# Altium PCB PA_8CH_CTRL.PcbDoc (part 8 of 10)
Units mm, origin at the board's own origin, x right, y up, seen from the top; angles counter-clockwise.
Board outline 390 x 110 mm, 4 copper layers (Component Side, Signal Layer 1, Power Plane, Solder Side), stack 1.604 mm thick; 833 components, 525 nets, 2536 pads, 1881 vias.
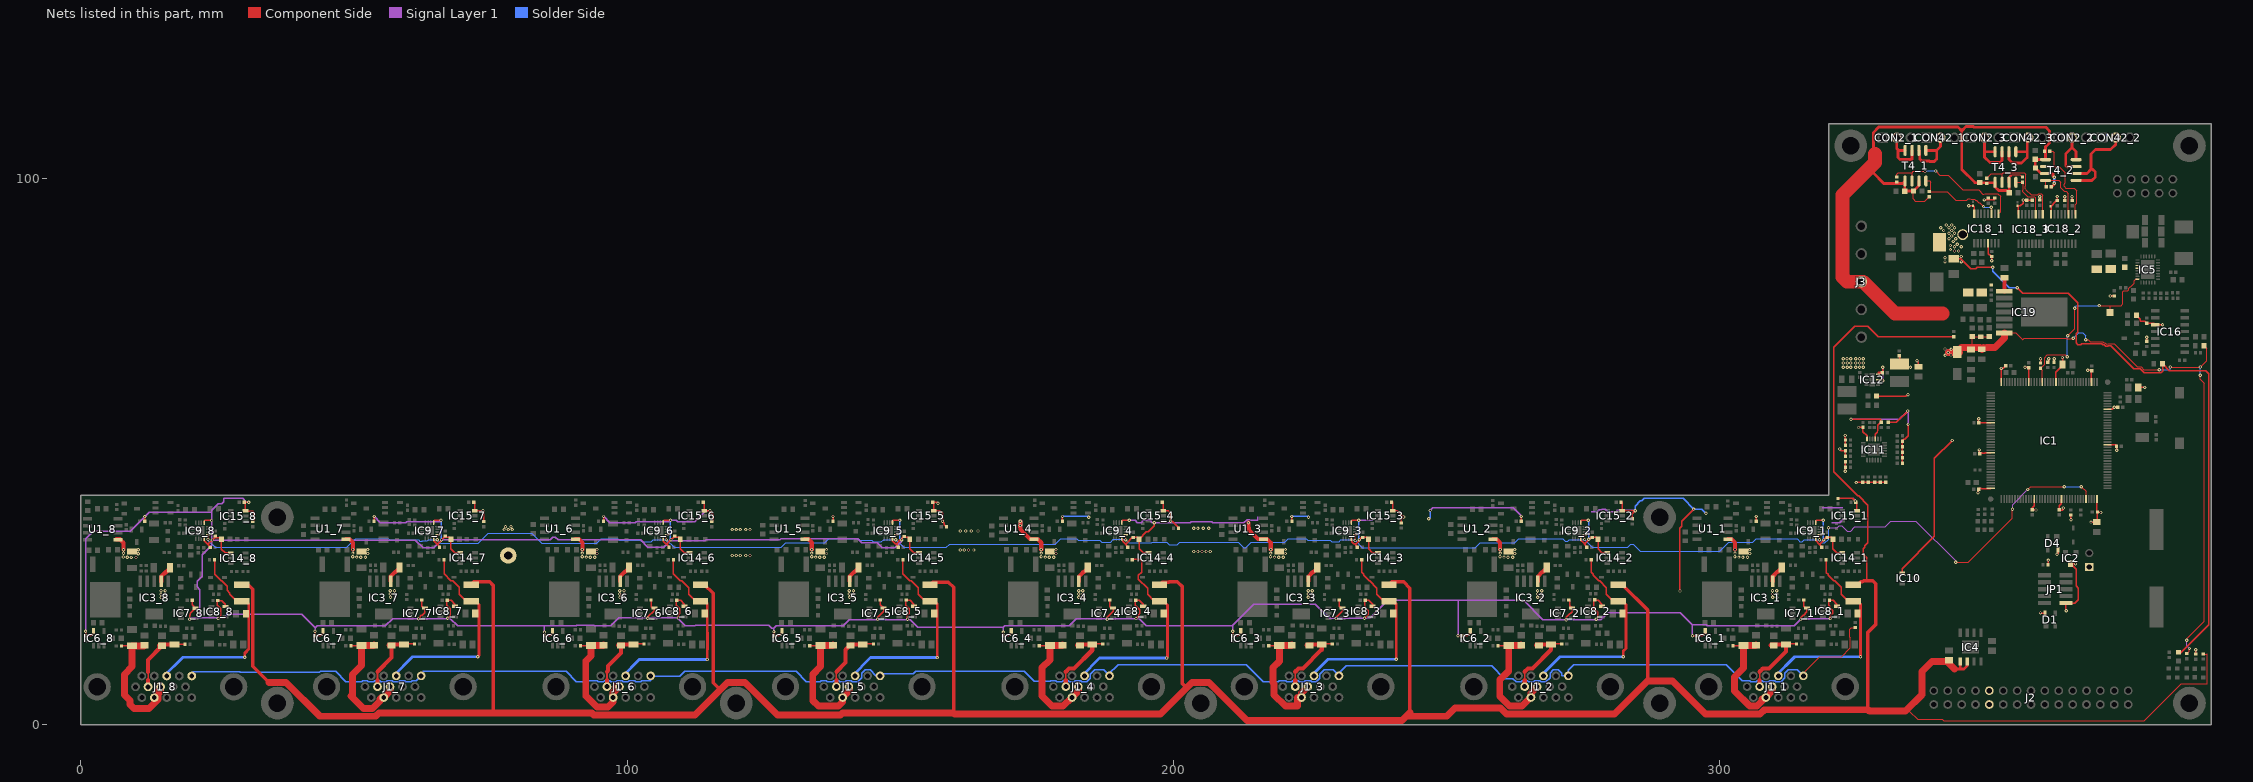
[diagram p10: the nets of this part, all layers, seen from the top]

## Via types
v1: diameter 0.6, hole 0.3, Component Side to Solder Side, tented both sides, 1530 vias
v2: diameter 0.6, hole 0.3, Component Side to Solder Side, 351 vias

## Nets (pads, with @x,y where several pads share a name; then routed paths per layer and width w, separated by ;. In a path a pad name is that pad's centre, name@x,y a point inside that pad or via, vN(x,y) a via of type N, cw(c..) or ccw(c..) an arc to the next point about the centre after c; other vN are vias at no path point) (continued)
P3V3: C5.1 C6.1 C7.1 C8.1 C9.1 C10.1 C11.1 C12.1 C13.1 C14.1 C15.1 C16.1 C43_1.2 C43_2.2 C43_3.2 C43_4.2 C43_5.2 C43_6.2 C43_7.2 C43_8.2 C45_1.2 C45_2.2 C45_3.2 C45_4.2 C45_5.2 C45_6.2 C45_7.2 C45_8.2 C47_1.2 C47_2.2 C47_3.2 C47_4.2 C47_5.2 C47_6.2 C47_7.2 C47_8.2 C50_1.1 C50_2.1 C50_3.1 C50_4.1 C50_5.1 C50_6.1 C50_7.1 C50_8.1 C53.1 C55.2 C56.2 C60_1.2 C60_2.2 C60_3.2 C60_4.2 C60_5.2 C60_6.2 C60_7.2 C60_8.2 C65.1 C113_1.2 C113_2.2 C113_3.2 D1.4 D4.4 FB1.2 IC1.17 IC1.30 IC1.39 IC1.52 IC1.62 IC1.72 IC1.84 IC1.95 IC1.108 IC1.121 IC1.131 IC1.144 IC2.3 IC6_1.5 IC6_2.5 IC6_3.5 IC6_4.5 IC6_5.5 IC6_6.5 IC6_7.5 IC6_8.5 IC7_1.5 IC7_2.5 IC7_3.5 IC7_4.5 IC7_5.5 IC7_6.5 IC7_7.5 IC7_8.5 IC8_1.5 IC8_2.5 IC8_3.5 IC8_4.5 IC8_5.5 IC8_6.5 IC8_7.5 IC8_8.5 IC9_1.5 IC9_1.16 IC9_2.5 IC9_2.16 IC9_3.5 IC9_3.16 IC9_4.5 IC9_4.16 IC9_5.5 IC9_5.16 IC9_6.5 IC9_6.16 IC9_7.5 IC9_7.16 IC9_8.5 IC9_8.16 IC10.1 IC11.21 IC11.24 IC12.8 IC12.10 IC14_1.1 IC14_2.1 IC14_3.1 IC14_4.1 IC14_5.1 IC14_6.1 IC14_7.1 IC14_8.1 IC15_1.3 IC15_2.3 IC15_3.3 IC15_4.3 IC15_5.3 IC15_6.3 IC15_7.3 IC15_8.3 IC16.3 IC18_1.8 IC18_1.13 IC18_2.8 IC18_3.8 J2.21 J2.22 JP1.1 JP2.1 L2.2 R1.1 R5.1 R6.1 R14.2 R22.1 R23.1 R24.1 R25.1 R40_1.2 R40_2.2 R40_3.2 R40_4.2 R40_5.2 R40_6.2 R40_7.2 R40_8.2 R57_1.2 R57_2.2 R57_3.2 R57_4.2 R57_5.2 R57_6.2 R57_7.2 R57_8.2 R60.1 R61.2 R62.1 R63.2 R64.2 R65.2 R68.2 R70.2 R71.2 R72.2 R73.2 R74.2 R75.2 R76.2 R77.2 R78.2 R79.2 R80.2 R81.2 R89_1.2 R89_2.2 R89_3.2 R89_4.2 R89_5.2 R89_6.2 R89_7.2 R89_8.2 R92.1 R94.1 R100.2 R107_1.2 R107_2.2 R107_3.2 R107_4.2 R107_5.2 R107_6.2 R107_7.2 R107_8.2 R111.2 R112.2 R113.2 R147_1.2 R147_2.2 R147_3.2 R148_1.2 R148_2.2 R148_3.2 | length 1110.5
  Component Side w0.254: v1(0.889,17.145) C43_8.2@0.889,16.296 1.818,16.296 IC6_8.5@2.362,16.84 ; R40_8.2@11.705,37.252 v1(11.705,38.13) ; v1(19.964,19.355) 19.964,20.052 20.09,20.178 20.09,20.473 IC7_8.5@20.985,21.368 20.389,21.964 C47_8.2@20.389,22.831 ; IC9_8.16@22.594,34.056 22.594,33.75 23.19,33.154 23.19,33.122 ; IC9_8.5@22.594,37.006 22.594,37.275 22.733,37.414 v1(23.952,37.414) ; C45_8.2@23.604,32.461 23.604,32.708 23.19,33.122 ; v1(25.171,19.482) 25.629,19.939 25.629,20.364 25.675,20.41 25.675,21.214 24.998,21.891 24.998,22.758 25.806,22.758 26.471,22.093 IC8_8.5@26.471,21.651 ; IC14_8.1@27.454,31.481 26.457,31.481 25.748,32.189 R107_8.2@25.748,33.98 25.429,34.299 24.511,34.299 v1(24.045,33.833) 23.334,33.122 23.19,33.122 ; C60_8.2@30.148,40.82 IC15_8.3@30.148,39.18 30.258,39.07 31.522,39.07 31.674,38.918 31.674,38.519 31.705,38.488 31.705,37.425 R89_8.2@31.5,37.22 ; C60_8.2@30.218,40.75 v1(30.75,40.75) ; v1(42.889,17.157) C43_7.2@42.889,16.325 43.818,16.325 IC6_7.5@44.362,16.869 ; R40_7.2@53.705,37.281 v1(53.705,38.159) ; v1(61.849,19.406) 62.156,19.712 62.156,19.913 62.319,20.076 62.52,20.076 62.985,20.542 IC7_7.5@62.985,21.397 62.728,21.397 62.389,21.736 C47_7.2@62.389,22.86 ; IC9_7.16@64.594,34.085 64.594,33.748 65.19,33.152 65.19,33.151 ; IC9_7.5@64.594,37.035 64.594,37.304 64.733,37.443 v1(65.952,37.443) ; C45_7.2@65.604,32.49 65.604,32.737 65.19,33.151 ; v1(67.158,19.507) 67.667,20.017 67.667,20.221 67.675,20.228 67.675,21.243 66.998,21.92 66.998,22.787 67.806,22.787 68.471,22.122 IC8_7.5@68.471,21.68 ; IC14_7.1@69.454,31.51 68.457,31.51 67.748,32.218 R107_7.2@67.748,34.009 67.429,34.328 66.511,34.328 v1(66.045,33.862) 66.045,33.831 65.364,33.151 65.19,33.151 ; C60_7.2@72.148,40.849 IC15_7.3@72.148,39.209 v1(73.626,39.209) 73.75,39.085 R89_7.2@73.75,37.22 ; v1(84.889,16.965) C43_6.2@84.889,16.325 85.818,16.325 IC6_6.5@86.362,16.869 ; R40_6.2@95.705,37.281 v1(95.705,38.159) ; v1(103.81,19.507) 103.81,19.761 104.985,20.936 IC7_6.5@104.985,21.397 104.638,21.397 104.389,21.646 C47_6.2@104.389,22.86 ; IC9_6.16@106.594,34.085 106.594,33.658 107.102,33.151 107.19,33.151 ; IC9_6.5@106.594,37.035 106.594,37.304 106.733,37.443 v1(107.952,37.443) ; C45_6.2@107.604,32.49 107.604,32.737 107.19,33.151 ; v1(109.347,19.558) 109.347,20.112 109.675,20.439 109.675,21.243 108.998,21.92 108.998,22.787 109.806,22.787 110.471,22.122 IC8_6.5@110.471,21.68 ; IC14_6.1@111.454,31.51 110.457,31.51 109.748,32.218 R107_6.2@109.748,34.009 109.429,34.328 108.511,34.328 v1(108.045,33.862) 107.334,33.151 107.19,33.151 ; C60_6.2@114.148,40.849 IC15_6.3@114.148,39.209 115.041,39.209 115.75,38.5 115.75,37.47 R89_6.2@115.5,37.22 ; v1(126.889,17.053) C43_5.2@126.889,16.325 127.818,16.325 IC6_5.5@128.362,16.869 ; R40_5.2@137.705,37.281 v1(137.705,38.159) ; v1(145.898,19.329) 145.898,19.71 146.985,20.798 IC7_5.5@146.985,21.397 146.389,21.993 C47_5.2@146.389,22.86 ; IC9_5.16@148.594,34.085 148.594,33.695 149.139,33.151 149.19,33.151 ; IC9_5.5@148.594,37.035 148.594,37.304 148.733,37.443 v1(149.952,37.443) ; C45_5.2@149.604,32.49 149.604,32.737 149.19,33.151 ; v1(151.333,19.355) 151.333,20.098 151.675,20.439 151.675,21.243 150.998,21.92 150.998,22.787 151.806,22.787 152.471,22.122 IC8_5.5@152.471,21.68 ; IC14_5.1@153.454,31.51 152.457,31.51 151.748,32.218 R107_5.2@151.748,34.009 151.429,34.328 150.511,34.328 150.266,34.083 v1(150.266,33.858) 150.041,33.858 149.334,33.151 149.19,33.151 ; C60_5.2@155.948,40.759 C60_5.2@156.148,40.759 ; C60_5.2@156.148,40.849 C60_5.2@156.148,40.759 ; v1(156.921,40.564) 156.921,40.615 156.777,40.759 C60_5.2@156.148,40.759 ; R89_5.2@158.47,36.25 158.47,36.433 158.282,36.433 158.099,36.615 158.099,36.901 v2(157.75,37.25) 157.75,38.75 157.291,39.209 IC15_5.3@156.148,39.209 C60_5.2@156.148,40.759 ; v1(168.889,16.988) C43_4.2@168.889,16.325 169.818,16.325 IC6_4.5@170.362,16.869 ; R40_4.2@179.705,37.281 v1(179.705,38.159) ; v1(187.884,19.329) 187.884,19.66 188.985,20.761 IC7_4.5@188.985,21.397 188.636,21.397 188.389,21.644 C47_4.2@188.389,22.86 ; IC9_4.16@190.594,34.085 190.708,33.971 190.708,33.618 191.176,33.151 191.19,33.151 ; IC9_4.5@190.594,37.035 190.594,37.304 190.733,37.443 v1(191.952,37.443) ; C45_4.2@191.604,32.49 191.604,32.737 191.19,33.151 ; v1(193.167,19.456) 193.667,19.957 193.667,20.221 193.827,20.381 193.827,21.031 193.171,21.687 193.171,21.746 192.998,21.92 192.998,22.787 193.806,22.787 194.471,22.122 IC8_4.5@194.471,21.68 ; IC14_4.1@195.454,31.51 194.457,31.51 193.748,32.218 R107_4.2@193.748,34.009 ; v2(196.5,37) 196.5,36.447 195.393,35.34 195.09,35.34 193.759,34.009 R107_4.2@193.748,34.009 ; C60_4.2@197.948,40.759 198.131,40.576 198.131,39.226 IC15_4.3@198.148,39.209 199.041,39.209 199.42,38.83 199.42,37.33 v2(199.5,37.25) 199.775,37.25 200.97,36.055 R89_4.2@200.97,36 ; v1(210.889,17.163) C43_3.2@210.889,16.325 211.818,16.325 IC6_3.5@212.362,16.869 ; R40_3.2@221.705,37.281 v1(221.705,38.159) ; v1(229.819,19.482) 229.819,19.685 230.985,20.851 IC7_3.5@230.985,21.397 230.723,21.397 230.389,21.731 C47_3.2@230.389,22.86 ; IC9_3.16@232.594,34.085 232.694,33.985 232.694,33.517 233.06,33.151 233.19,33.151 ; IC9_3.5@232.594,37.035 232.594,37.304 232.733,37.443 v1(233.952,37.443) ; C45_3.2@233.604,32.49 233.604,32.737 233.19,33.151 ; v1(235.001,19.507) 235.661,20.168 235.661,20.426 235.675,20.439 235.675,20.919 235.171,21.422 235.171,21.746 234.998,21.92 234.998,22.787 235.806,22.787 236.471,22.122 IC8_3.5@236.471,21.68 ; IC14_3.1@237.454,31.51 236.457,31.51 235.748,32.218 R107_3.2@235.748,34.009 235.429,34.328 234.511,34.328 v1(234.045,33.862) 234.045,33.708 233.487,33.151 233.19,33.151 ; C60_3.2@240.148,40.849 IC15_3.3@240.148,39.209 241.029,39.209 v1(242.189,38.049) 241.75,37.61 R89_3.2@241.75,36.97 ; v1(252.113,16.325) C43_2.2@252.889,16.325 253.818,16.325 IC6_2.5@254.362,16.869 ; R40_2.2@263.705,37.281 v1(263.705,38.159) ; v1(271.907,19.253) 271.907,19.664 272.319,20.076 272.324,20.076 272.985,20.738 IC7_2.5@272.985,21.397 272.593,21.789 272.593,22.656 C47_2.2@272.389,22.86 ; IC9_2.16@274.594,34.085 274.594,33.806 275.19,33.21 275.19,33.151 ; IC9_2.5@274.594,37.035 274.594,37.304 274.733,37.443 v1(275.952,37.443) ; C45_2.2@275.604,32.49 275.604,32.737 275.19,33.151 ; 277.667,19.629 277.667,20.611 276.998,21.281 276.998,22.787 277.806,22.787 278.471,22.122 IC8_2.5@278.471,21.68 ; IC14_2.1@279.454,31.51 278.457,31.51 277.748,32.218 R107_2.2@277.748,34.009 277.429,34.328 276.511,34.328 276.137,33.954 276.132,33.96 v1(276.047,33.96) 276.047,33.877 275.321,33.151 275.19,33.151 ; C60_2.2@282.148,40.849 IC15_2.3@282.148,39.209 284.548,39.209 284,38.661 R89_2.2@284,37.72 R89_2.2@284.055,37.72 ; v2(292.75,24.5) 292.75,35.999 293.067,36.315 293.067,37.317 v2(295.25,39.5) ; v1(295.028,16.325) C43_1.2@295.889,16.325 296.818,16.325 IC6_1.5@297.362,16.869 ; R40_1.2@306.705,37.281 v1(306.705,38.159) ; v1(314.884,19.355) 314.884,19.641 315.319,20.076 315.377,20.076 315.985,20.685 IC7_1.5@315.985,21.397 315.686,21.397 315.389,21.694 C47_1.2@315.389,22.86 ; IC9_1.16@317.594,34.085 317.594,33.771 317.749,33.616 317.749,33.577 318.176,33.151 318.19,33.151 ; IC9_1.5@317.594,37.035 317.594,37.304 317.733,37.443 v1(318.952,37.443) ; C45_1.2@318.604,32.49 318.604,32.737 318.19,33.151 ; v1(320.269,19.456) 320.269,20.033 320.675,20.439 320.675,20.919 320.171,21.422 320.171,21.746 319.998,21.92 319.998,22.787 320.806,22.787 321.471,22.122 IC8_1.5@321.471,21.68 ; R89_1.2@321.67,41.418 321.67,41.45 322.368,41.45 322.421,41.502 324.32,41.502 ; v1(321.97,50.495) 322.313,50.153 R64.2@323.021,50.153 R65.2@323.021,49.153 ; IC14_1.1@322.454,31.51 321.457,31.51 320.748,32.218 R107_1.2@320.748,34.009 320.429,34.328 319.511,34.328 v1(319.045,33.862) 319.045,33.796 318.399,33.151 318.19,33.151 ; v1(323.021,46.447) R70.2@323.021,47.153 R68.2@323.021,48.153 ; R63.2@323.021,51.153 R61.2@323.021,52.153 v1(323.021,52.975) ; v1(324.053,55.956) 329.489,55.956 R60.1@329.489,55.385 ; v1(324.81,40.976) 324.81,41.037 324.333,41.515 324.32,41.502 ; v1(325.018,44.348) 325.095,44.425 R71.2@326.182,44.425 R72.2@327.182,44.425 R73.2@328.432,44.425 R74.2@329.432,44.425 R75.2@330.432,44.425 ; IC15_1.3@325.148,39.209 325.148,40.674 324.32,41.502 ; v1(325.425,54.432) 325.445,54.453 C53.1@326.241,54.453 326.241,53.692 326.991,52.942 IC11.24@326.991,52.353 ; IC11.21@328.491,52.353 328.491,53.236 328.847,53.592 328.847,53.663 328.981,53.797 328.981,54.839 329.527,55.385 R60.1@329.616,55.385 ; R81.2@328.744,60.205 328.744,60.128 334.118,60.128 v1@334.455,60.465 ; IC12.8@328.994,63.205 329.029,63.17 329.717,63.17 v1(329.895,62.992) ; C55.2@329.775,64.465 329.87,64.56 v1(329.87,65.456) ; R62.1@330.86,55.385 332.346,55.385 v1(334.416,57.455) ; C65.1@332.918,67.546 332.944,67.519 L2.2@332.944,66.055 ; IC10.1@333.42,27.772 333.42,28.594 339.319,34.493 339.319,48.793 v1(342.57,52.045) ; R76.2@333.461,47.903 R77.2@333.461,48.903 R78.2@333.461,49.903 R79.2@333.461,50.903 R80.2@333.461,51.903 333.461,52.024 333.75,52.313 333.867,52.313 334.5,52.946 v2(334.5,55) ; v1(336.144,66.65) 336.398,66.396 C56.2@336.398,65.568 ; v2(345.625,95.05) 345.65,95.025 C113_1.2@346.4,95.025 346.602,94.823 IC18_1.8@346.602,93.55 ; v1(347.294,42.469) 347.339,42.514 347.339,43.155 347.479,43.295 347.859,43.295 347.918,43.236 349.565,43.236 IC1.108@349.624,43.295 ; v1(347.447,56.058) 347.365,55.976 347.365,55.296 347.366,55.295 IC1.84@349.624,55.295 ; v1(347.517,50.337) 347.517,49.632 347.68,49.795 347.968,49.795 348.047,49.715 348.527,49.715 348.607,49.795 IC1.95@349.624,49.795 ; v2(348.45,96.1) 348.455,96.095 350.4,96.095 ; IC18_1.13@349.142,88.15 349.211,88.082 349.211,86.264 349.374,86.101 349.429,86.101 R23.1@349.8,85.73 349.8,85 v2(349.825,84.975) ; v1(351.536,65.253) 351.536,62.783 IC1.72@351.574,62.745 ; v1@351.536,65.272 351.679,65.129 351.821,65.27 351.891,65.27 C14.1@352.381,65.761 ; IC18_3.8@354.703,93.45 354.703,94.823 C113_3.2@354.525,95 355.05,95 355.575,95.525 v2(355.575,96.075) 355.605,96.045 R24.1@356.25,96.045 R148_3.2@357.225,96.045 ; v1(355.91,65.461) 356.565,65.461 356.574,65.452 IC1.62@356.574,62.745 ; C11.1@357.2,39.288 357.2,39.776 357.574,40.151 IC1.121@357.574,41.345 ; C11.1@357.353,39.339 v1(357.906,39.339) ; R147_3.2@358.6,96.07 358.6,96.675 v2(358.625,96.7) ; v2(358.75,20.5) 358.85,20.4 D1.4@359.55,20.4 ; R25.1@358.75,66.22 v2(358.75,67) ; R113.2@360.096,66.383 360.25,66.537 v1(360.25,67) ; R1.1@360.134,29.312 v1(360.134,30.162) ; IC18_2.8@360.678,93.5 360.678,94.847 C113_2.2@360.575,94.95 360.695,94.95 361.054,95.309 361.054,95.429 361.595,95.97 R22.1@361.8,95.97 361.8,96.65 361.85,96.7 361.845,96.705 v2(361.793,96.705) ; R112.2@361.213,66.383 361.25,66.42 v1(361.25,67) ; IC1.52@361.574,62.745 361.574,64.572 C10.1@362.534,65.532 ; v2(361.75,31.25) 361.95,31.45 D4.4@361.95,32.1 ; IC1.131@362.574,41.345 362.574,40.502 362.204,40.132 362.204,39.288 362.688,39.288 362.915,39.516 v1(362.915,39.7) ; v1(362.75,67.25) 362.75,67.04 362.777,67.067 C10.1@362.777,65.964 ; R148_2.2@363.2,95.97 v2(363.2,96.7) ; v1(363.474,20.879) 363.392,20.961 JP1.1@363.392,22.301 363.443,22.25 365,22.25 365.628,22.878 365.628,25.056 365.25,25.434 365.25,28.526 IC2.3@364.261,29.515 v1(365.15,29.515) ; v1(364.312,37.567) R6.1@364.312,38.392 ; v2(364.5,96.675) 364.525,96.7 R147_2.2@364.525,95.97 ; v1(367.38,64.903) 368.122,64.903 368.074,64.855 IC1.39@368.074,62.745 ; v1(367.981,37.12) 368.732,37.12 369.151,37.54 R5.1@369.151,38.964 ; IC1.144@369.074,41.345 369.074,39.04 R5.1@369.151,38.964 ; v1(369.799,38.887) 369.227,38.887 R5.1@369.151,38.964 ; IC1.17@371.024,51.295 372.485,51.295 372.751,51.029 372.694,50.972 v1(372.694,50.292) ; IC1.30@371.024,57.795 371.866,57.795 372.212,58.141 C7.1@372.852,58.141 ; v1(371.5,78.5) 371.53,78.53 R14.2@372.25,78.53 ; R94.1@376.3,75 377.029,74.271 377.029,74 377.129,73.901 377.804,73.901 R92.1@378.175,73.53 379.464,73.53 IC16.3@379.724,73.27 v1(381.091,73.27) ; FB1.2@376.617,61.773 v1(377.8,61.773) ; R100.2@378.175,70.22 v1(378.175,70.979) ; R111.2@387.148,12.947 v1(387.148,13.747) ; 191.19,33.151 191.399,33.151 192.045,33.796 192.045,33.862 192.511,34.328 R57_4.2@192.684,34.328 193.429,34.328 R107_4.2@193.748,34.009
  Component Side w0.508: 329.133,64.465 C55.2@329.775,64.465
  Signal Layer 1 w0.254: v1(0.889,17.145) 0.889,34.112 2.261,35.484 9.059,35.484 v1(11.705,38.13) 12.539,38.964 23.978,38.964 24.003,38.989 ; v1(19.964,19.355) 20.193,19.583 21.819,19.583 ; v1(24.045,33.833) 61.265,33.833 62.713,32.385 64.599,32.385 66.045,33.831 v1(66.045,33.862) 85.925,33.862 86.425,34.361 86.905,34.361 87.404,33.862 102.485,33.862 103.835,32.512 106.695,32.512 v1(108.045,33.862) 108.215,33.692 114.284,33.692 114.454,33.862 128.013,33.862 128.182,34.031 142.209,34.031 142.932,33.308 145.782,33.308 146.674,32.415 149.027,32.415 150.266,33.655 v1(150.266,33.858) ; v1(30.75,40.75) 30.319,40.75 29.616,41.453 26.232,41.453 26.183,41.404 26.183,40.832 25.843,40.492 25.176,40.492 24.003,39.319 24.003,38.989 ; v1(42.889,17.157) 42.889,17.768 ; v1(53.705,38.159) 54.873,36.991 59.487,36.991 59.715,37.219 65.728,37.219 v1(65.952,37.443) ; v1(84.889,16.965) 84.889,18.142 84.861,18.169 ; v1(95.705,38.159) 96.873,36.991 101.487,36.991 101.715,37.219 107.728,37.219 v1(107.952,37.443) 108.987,37.443 109.287,37.143 112.378,37.143 114.444,39.209 v1(115.18,39.209) ; v1(126.889,17.053) 126.889,17.72 ; v1(168.889,16.988) 168.889,17.911 ; v1(191.952,37.443) 192.987,37.443 193.43,37 194.121,37 194.534,37.413 195.771,37.413 196.184,37 v2(196.5,37) 203.069,37 203.258,37.189 206.992,37.189 207.181,37 212.931,37 213.51,37.579 213.99,37.579 214.144,37.425 215.425,37.425 215.5,37.5 215.5,38.059 215.491,38.068 ; v1(210.889,17.163) 210.889,18.255 ; v1(233.952,37.443) 233.979,37.47 236.5,37.47 ; v2(247,39.25) 247.5,39.75 262.25,39.75 263.705,38.295 v1(263.705,38.159) ; v1(252.113,16.325) 252.113,22.689 251.993,22.809 ; 276.5,39 277.601,39 277.992,39.391 278.391,39.391 278.5,39.5 279.073,39.5 279.551,39.023 281.041,39.023 281.286,39.268 284.505,39.268 v1(284.556,39.218) ; v1(295.028,16.325) 295.028,18.332 ; 318.75,39.75 322.5,39.75 ; v1(320.269,19.456) 314.956,19.456 313.669,18.169 297.716,18.169 297.554,18.332 295.028,18.332 ; 320.5,37 322,37 322.75,37.75 ; v1(324.053,55.956) 332.918,55.956 v1(334.416,57.455) 334.5,57.371 v2(334.5,55) ; 324.358,41.529 324.81,41.077 v1(324.81,40.976) ; v1(329.87,65.456) 329.895,65.43 v1(329.895,62.992) ; 21.819,19.583 26.238,19.583 26.899,20.244 40.414,20.244 42.889,17.768 ; 21.819,19.583 21.819,24.733 21.29,25.262 21.29,26.268 22.225,27.203 22.225,31.115 24.003,32.893 24.003,38.989 ; 42.889,17.768 43.256,18.136 52.988,18.136 53.012,18.16 55.777,18.16 57.074,19.456 67.666,19.456 68.978,18.144 84.836,18.144 84.861,18.169 ; 84.861,18.169 90.742,18.169 90.785,18.212 93.979,18.212 94.022,18.169 97.062,18.169 98.501,19.609 109.169,19.609 110.634,18.144 112.459,18.144 112.527,18.212 125.984,18.212 126.476,17.72 126.889,17.72 ; 126.889,17.72 127.356,18.186 132.245,18.186 132.262,18.169 132.742,18.169 132.759,18.186 136.005,18.186 136.022,18.169 139.556,18.169 140.665,19.279 151.841,19.279 153.208,17.911 168.889,17.911 ; 168.889,17.911 169.139,18.161 180.95,18.161 182.22,19.431 193.802,19.431 195.089,18.144 210.778,18.144 210.889,18.255 ; 210.889,18.255 214.757,22.123 225.984,22.123 228.6,19.507 v1(235.001,19.507) 235.941,19.507 239.243,22.809 251.993,22.809 ; 251.993,22.809 264.109,22.809 267.665,19.253 v1(271.907,19.253) 278.282,19.253 279.578,20.549 292.811,20.549 295.028,18.332
  Solder Side w0.254: v1(65.952,37.443) 65.952,33.954 v1(66.045,33.862) ; v1(107.952,37.443) 107.952,33.954 v1(108.045,33.862) ; 149.952,33.954 v1(149.952,37.443) ; v1(179.705,38.159) 184.341,38.159 v2(184.5,38) ; v1@191.92,37.411 v1(191.952,37.443) ; v1(221.705,38.159) 224.591,38.159 v2(224.75,38) ; v1(233.952,37.443) 233.952,33.954 v1(234.045,33.862) ; v2(246.75,37.75) 247,38 v2(247,39.25) ; v1(275.952,37.443) 276.047,37.348 v1(276.047,33.96) ; v1(284.556,39.218) 284.556,40.037 285.51,40.991 285.741,40.991 286.198,41.448 293.302,41.448 v2(295.25,39.5) 296.749,39.5 v2(297.499,38.75) ; v1(318.952,37.443) 318.952,33.954 v1(319.045,33.862)
  other v1: 277.444,19.355 372.237,58.166 334.493,60.427 334.924,65.456 322.656,65.481 323.342,65.481 324.002,65.481 324.942,65.481 325.628,65.481 326.288,65.481 322.656,66.243 323.342,66.243 324.002,66.243 324.942,66.243 325.628,66.243 326.288,66.243 322.656,67.031 323.317,67.031 324.002,67.031 324.942,67.031 325.603,67.031 326.288,67.031
P5V0: C22.2 F1_1.1 F1_2.1 F1_3.1 F1_4.1 F1_5.1 F1_6.1 F1_7.1 F1_8.1 IC4.1 IC4.2 R21.1 R28.2 | length 673.3
  Component Side w0.152: 334.035,2.515 334.735,2.515 336.25,1 340.75,1 341,0.75 377.75,0.75 384.5,7.5 389.25,7.5 389.25,13 389.22,12.97 R21.1@388.5,12.97 ; 345.313,10.813 IC4.2@345.313,11.599
  Component Side w0.254: 326.923,26.398 326.923,30.556 326.288,31.191 326.288,32.233 326.547,32.491 326.547,32.777 327.129,33.359 327.129,40.236 325.445,41.921 325.26,41.921 320.878,46.302 320.878,69.128 324.75,73 327.125,73 329.07,71.055 R28.2@342.85,71.055
  Component Side w0.508: 343,10.25 344,10.25 ; IC4.1@344.043,11.599 344.043,10.293 344,10.25 ; 345.313,10.813 344.75,10.25 344,10.25
  Component Side w0.635: F1_8.1@29.464,25.63 30.682,25.63 31.483,24.828 31.483,10.735 34.431,7.787 ; F1_7.1@71.464,25.659 71.975,26.17 74.868,26.17 75.471,25.567 75.471,2.184 75.471,2.091 ; F1_6.1@113.464,25.659 114.168,25.659 115.748,24.079 115.748,7.722 117.057,6.413 ; F1_5.1@155.464,25.659 155.95,26.144 158.822,26.144 159.791,25.175 159.791,2.235 159.741,2.184 ; F1_4.1@197.464,25.659 197.942,26.137 199.19,26.137 199.274,26.221 200.754,26.221 201.676,25.298 201.676,7.544 202.432,6.788 ; F1_3.1@239.464,25.659 239.975,26.17 242.159,26.17 243.307,25.022 243.307,2.286 ; F1_2.1@281.464,25.659 282.18,25.659 286.817,21.022 286.817,8.052 ; F1_1.1@325.374,25.679 325.865,26.17 326.149,26.17 326.377,26.398 326.923,26.398 328.004,26.398 328.582,25.821 328.582,18.372 327.16,16.95 327.16,2.761 327.16,2.319
  Component Side w1.27: 34.431,7.787 37.569,7.787 43.779,1.578 53.992,1.578 54.599,2.184 75.471,2.184 93.554,2.184 93.911,1.828 112.471,1.828 117.057,6.413 118.431,7.787 ; 118.476,7.787 121.569,7.787 127.529,1.828 139.089,1.828 139.446,2.184 159.741,2.184 159.915,2.01 197.654,2.01 202.432,6.788 203.431,7.787 206.569,7.787 213.519,0.837 241.858,0.837 242.595,1.575 ; 243.307,2.286 242.595,1.575 ; 343,10.25 341.651,11.599 338.878,11.599 337.033,9.754 337.033,5.512 334.035,2.515 327.406,2.515 327.16,2.761 327.147,2.773 308.188,2.773 307.425,2.01 297.456,2.01 291.414,8.052 286.817,8.052 280.775,2.01 260.978,2.01 259.861,3.128 251.591,3.128 250.038,1.575 242.595,1.575
P5V0MP_1: C34_1.2 F1_1.2 J1_1.13 R58_1.1 | length 38.4
  Component Side w0.254: R58_1.1@319.498,30.23 319.553,30.175 319.553,27.878 319.551,27.876 319.884,27.543 319.884,27.378 320.884,26.378 321.05,26.378 322.28,25.148 322.28,23.905 F1_1.2@323.555,22.63
  Component Side w0.508: F1_1.2@323.555,22.63 325.277,22.63 325.78,22.126 v1(325.78,12.471)
  Solder Side w0.508: J1_1.13@310.258,8.98 313.749,12.471 v1(325.78,12.471)
P5V0MP_2: C34_2.2 F1_2.2 J1_2.13 R58_2.1 | length 38.3
  Component Side w0.254: R58_2.1@276.498,30.23 276.498,27.928 276.884,27.543 276.884,27.378 277.884,26.378 278.048,26.378 279.28,25.146 279.28,23.905 F1_2.2@280.555,22.63
  Component Side w0.508: F1_2.2@280.555,22.63 282.277,22.63 282.854,22.052 282.854,13.983 282.372,13.5 v1(282.372,12.471)
  Solder Side w0.508: J1_2.13@267.258,8.98 270.749,12.471 v1(282.372,12.471)
P5V0MP_3: C34_3.2 F1_3.2 J1_3.13 R58_3.1 | length 38.7
  Component Side w0.254: R58_3.1@234.498,30.23 234.498,27.928 234.884,27.543 234.884,27.378 235.884,26.378 235.934,26.378 237.28,25.033 237.28,23.905 F1_3.2@238.555,22.63
  Component Side w0.508: F1_3.2@238.555,22.63 240.277,22.63 240.817,22.089 v1(240.817,12.014)
  Solder Side w0.508: J1_3.13@225.258,8.98 228.292,12.014 v1(240.817,12.014)
P5V0MP_4: C34_4.2 F1_4.2 J1_4.13 R58_4.1 | length 40.1
  Component Side w0.254: R58_4.1@192.498,30.23 192.498,30.142 192.654,30.297 193.839,30.297 194.178,29.958 194.178,27.934 193.619,27.375 193.619,26.643 195.28,24.982 195.28,23.905 F1_4.2@196.555,22.63